# Altium PCB standos_RPi_view.PcbDoc (part 3 of 3)
Units mm, origin at the board's own origin, x right, y up, seen from the top; angles counter-clockwise.
Board outline 280 x 215 mm, 2 copper layers (Top Layer, Bottom Layer); 107 components, 136 nets, 738 pads, 582 vias.
Unrouted connection lines stored in the file: 90.
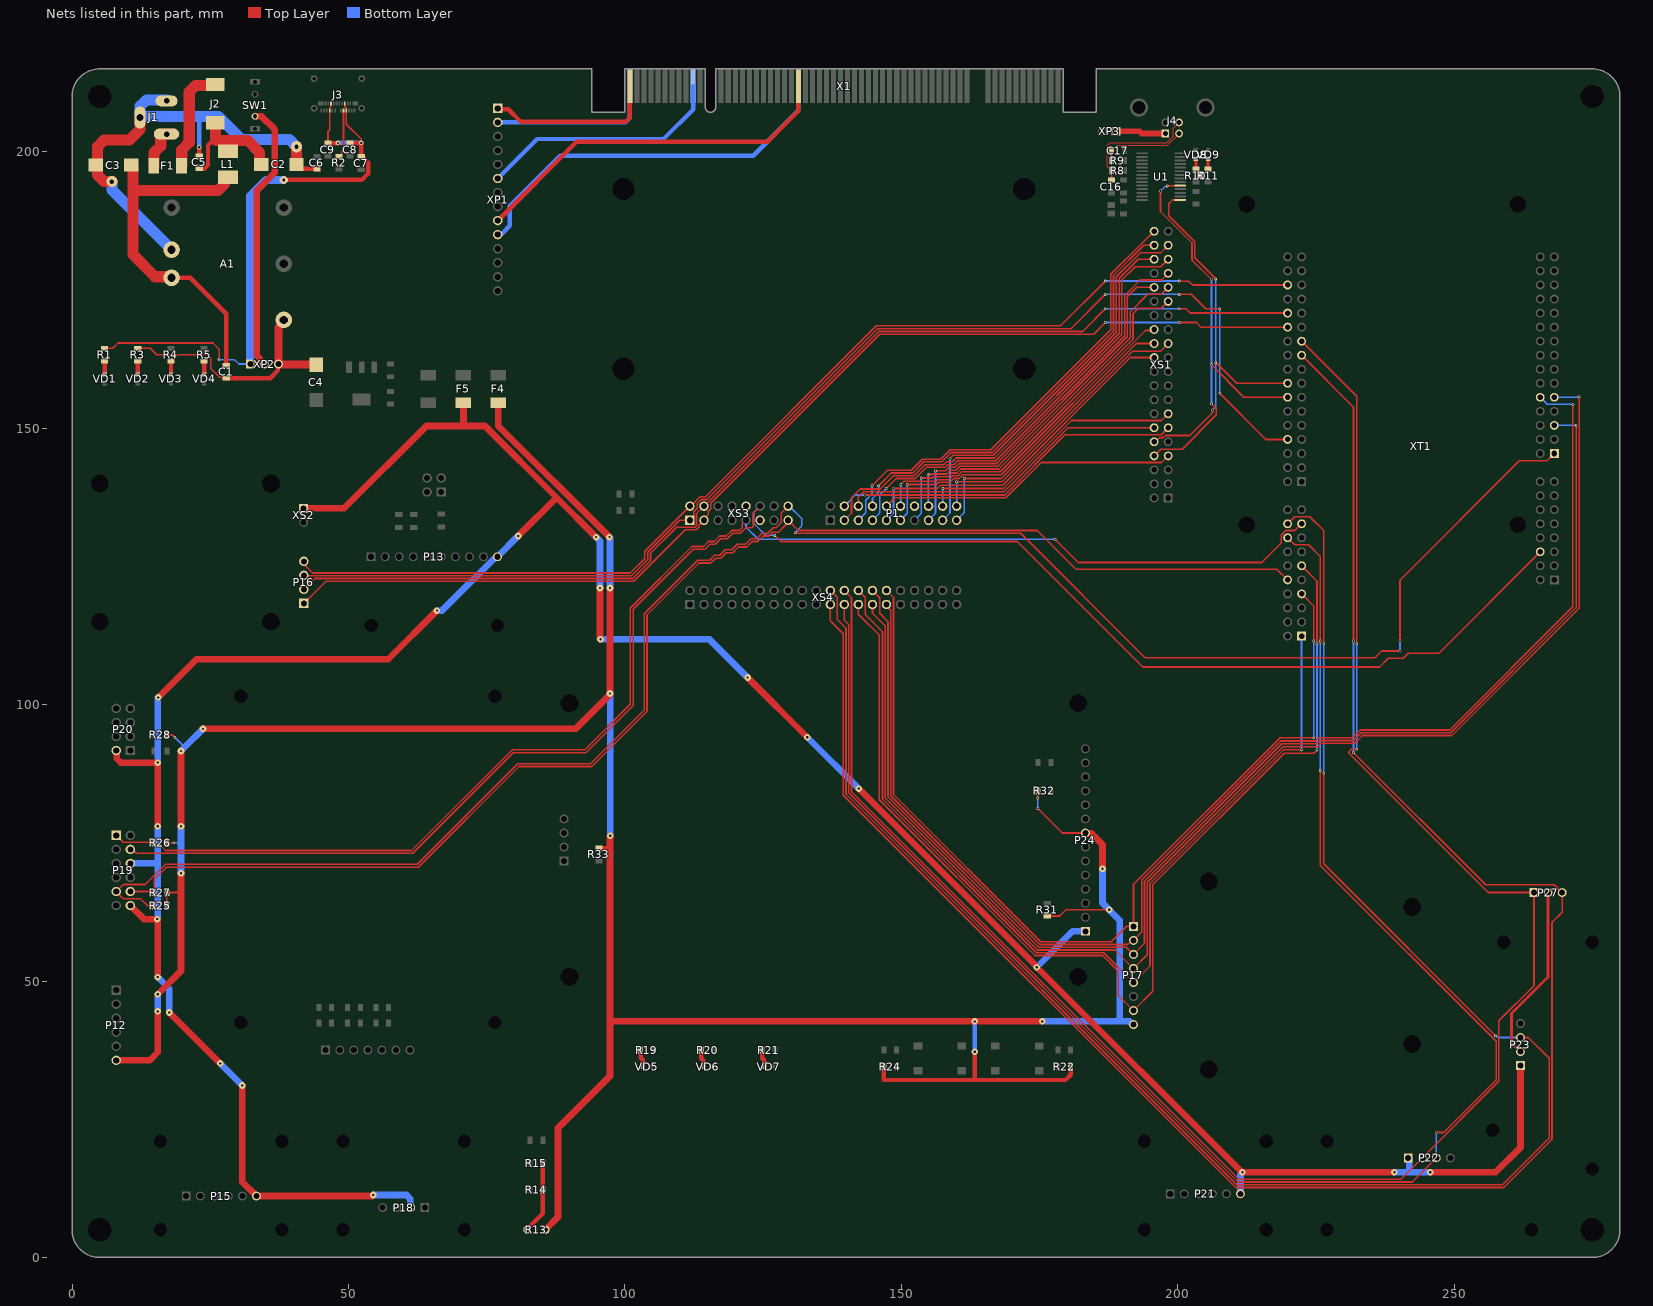
[diagram p3: the nets of this part, all layers, seen from the top]

## Via types
v1: diameter 0.5, hole 0.3, Top Layer to Bottom Layer, tented both sides, 530 vias
v2: diameter 1.2, hole 0.4, Top Layer to Bottom Layer, tented both sides, 42 vias
v3: diameter 0.8, hole 0.4, Top Layer to Bottom Layer, tented both sides, 4 vias
v4: diameter 2, hole 0.8, Top Layer to Bottom Layer, tented both sides, 3 vias
v5: diameter 1, hole 0.4, Top Layer to Bottom Layer, tented both sides, 2 vias
v6: diameter 1.5, hole 0.5, Top Layer to Bottom Layer, tented both sides, 1 vias

## Nets (pads, with @x,y where several pads share a name; then routed paths per layer and width w, separated by ;. In a path a pad name is that pad's centre, name@x,y a point inside that pad or via, vN(x,y) a via of type N, cw(c..) or ccw(c..) an arc to the next point about the centre after c; other vN are vias at no path point) (continued)
NAV.SPI_3CS.nCE0: P19.1 R26.1 XS3.10 XT1.CN7_17 | length 258.6
  Top Layer w0.3: P19.1@8,76.35 9.25,75.1 14.75,75.1 R26.1@14.85,75 14.85,74.8 15.15,74.5 16,74.5 16.9,73.6 61.407,73.6 79.607,91.8 92.751,91.8 101,100.049 101,117.443 112.157,128.6 114.214,128.6 115.111,129.496 116.125,129.496 117.118,130.489 118.296,130.489 119.306,131.5 120.693,131.5 121.22,132.027 121.22,132.65 121.92,133.35 ; v1(177.8,129.9) 182,125.7 215.2,125.7 218.72,129.22 218.72,130.656 219.564,131.5 221.19,131.5 XT1.CN7_17@222.41,132.72
  Bottom Layer w0.3: 121.92,133.35 121.92,132.08 124.1,129.9 v1(177.8,129.9)
NAV.SPI_3CS.nCE1: P19.9 R25.1 XS3.15 XT1.CN9_1 | length 345.4
  Top Layer w0.3: R25.1@14.85,63.6 13.7,63.6 12.4,64.9 9.29,64.9 P19.9@8,66.19 9.266,67.456 13.249,67.456 16.893,71.1 62.443,71.1 80.643,89.3 93.786,89.3 103.5,99.014 103.5,116.407 113.193,126.1 115.332,126.1 116.228,126.996 117.16,126.996 118.153,127.989 119.331,127.989 120.342,129 121.825,129 122.818,129.993 123.814,129.993 124.814,130.993 125.85,130.993 126.857,132 127.347,132 128.3,132.953 128.3,134.65 129.54,135.89 ; v1(130.8,131.1) 130.854,131.1 130.954,131 171.593,131 194.093,108.5 235.7,108.5 236.9,109.7 v1(240.2,109.7) ; v1(240.2,111.5) 240.2,122.493 261.807,144.1 266.81,144.1 XT1.CN9_1@268.13,145.42
  Bottom Layer w0.3: 129.54,135.89 129.759,135.89 132,133.649 132,132.3 v1(130.8,131.1) ; v1(240.2,109.7) v1(240.2,111.5)
NAV.SPI_3CS.nCE2: P19.10 R27.1 XS3.16 XT1.CN7_10 | length 253.6
  Top Layer w0.3: P19.10@10.54,66.19 14.66,66.19 R27.1@14.85,66 14.85,68.35 17.1,70.6 62.65,70.6 80.85,88.8 93.993,88.8 104,98.807 104,116.2 113.4,125.6 115.539,125.6 116.436,126.496 117.367,126.496 118.36,127.489 119.538,127.489 120.549,128.5 122.032,128.5 123.025,129.493 124.021,129.493 125.021,130.493 126.057,130.493 126.764,131.2 127.8,131.2 129.126,132.526 129.126,132.557 129.54,132.971 129.54,133.35 131.39,131.5 174.593,131.5 181.593,124.5 217.93,124.5 XT1.CN7_10@219.87,122.56
NAV.SPI_3CS.SCLK: P19.4 XS3.11 XT1.CN8_6 | length 317.1
  Top Layer w0.3: P19.4@10.54,73.81 10.919,73.81 11.629,73.1 61.614,73.1 79.814,91.3 92.958,91.3 101.5,99.842 101.5,117.236 112.364,128.1 114.504,128.1 115.4,128.996 116.332,128.996 117.325,129.989 118.503,129.989 119.513,131 120.9,131 121.9,132 122.993,132 123.26,132.267 123.26,134.69 124.46,135.89 ; v1(127.1,130.6) 128.2,129.5 170.972,129.5 193.672,106.8 236.507,106.8 238.107,108.4 240.8,108.4 241.7,109.3 247.25,109.3 XT1.CN8_6@265.59,127.64
  Bottom Layer w0.3: 124.46,135.89 123.26,134.69 123.26,132.84 125.5,130.6 v1(127.1,130.6)
NetA1_2: A1.2 C2.2 C3.2 C5.1 C6.2 J1.2 J1.3 | length 89.2
  Top Layer w0.8: C5.1@23,199.25 v3(23,200.8) ; C2.2@40.6,197.7 41.4,196.9 44.25,196.9 C6.2@44.3,196.85 C6.2@44.5,196.85
  Top Layer w2: C3.2@4.3,197.6 C3.2@4.4,197.6 ; v4(7.2,194.6) 5.772,194.6 4.6,195.772 4.6,197.4 C3.2@4.4,197.6 ; J1.3@12.3,206.4 12.3,205.4 12.3,204 10.4,202.1 5.8,202.1 4.6,200.9 4.6,197.8 C3.2@4.4,197.6 ; C2.2@40.6,197.7 v4(40.6,200.9)
  Bottom Layer w0.8: v3(23,200.8) 23,206.3 23.1,206.4
  Bottom Layer w2: v4(7.2,194.6) 7.2,193.08 A1.2@18,182.28 ; J1.2@17.3,209.4 16.3,209.4 13.472,209.4 12.3,208.228 12.3,207.4 12.3,206.4 23.1,206.4 26.497,206.4 30.697,202.2 39.3,202.2 v4(40.6,200.9)
NetA1_3: A1.3 C1.2 C3.1 L1.2 | length 65.8
  Top Layer w0.8: A1.3@18,177.2 21.4,177.2 27.9,170.7 C1.2@27.9,161.35
  Top Layer w2: C3.1@10.7,197.6 10.8,197.6 11,197.4 11,193 ; A1.3@18,177.2 17.809,177.391 15.009,177.391 11,181.4 11,193 ; L1.2@28.2,195.4 27.85,195.4 27.6,195.15 27.6,194.203 26.397,193 11,193
NetC2_1: C2.1 C5.2 J2.2 L1.1 | length 22.2
  Top Layer w0.8: C5.2@23,196.95 23.05,196.9 23.9,196.9 24.6,197.6 24.6,201.2 25.4,202 26.097,202
  Top Layer w2: J2.2@25.3,205.225 25.75,205.225 25.95,205.025 25.95,202.147 26.097,202 31.8,202 33.9,199.9 33.9,197.9 34.1,197.7 C2.1@34.2,197.7
NetF1_1: F1.1 J1.1 | length 8.3
  Top Layer w2: F1.1@14.8,197.5 14.845,197.545 14.845,199.845 16.05,201.05 J1.1@16.05,203.2 ; J1.1@16.2,203.2 17.3,203.2 J1.1@18.3,203.2
NetF1_2: F1.2 J2.1 | length 18.6
  Top Layer w2: F1.2@19.8,197.5 19.845,197.545 19.845,200.345 21.2,201.7 21.2,210.803 22.372,211.975 25.25,211.975 25.3,212.025 J2.1@25.3,212.175
NetJ3_A5: J3.A5 R2.1 | length 8.8
  Top Layer w0.3: R2.1@48.3,199.15 48.5,199.15 48.8,199.45 48.8,200.1 49.1,200.4 J3.A5@49.1,207.46
NetJ4_1: J4.1 XP3.1 | length 9
  Top Layer w1: XP3.1@188.87,203.7 193.1,203.7 193.5,203.3 J4.1@197.75,203.3
NetP23_2: P23.2 P27.2 | length 32.2
  Top Layer w0.5: P23.2@262,37.23 260.4,38.83 260.4,44.1 267,50.7 P27.2@267,66
NetR1_1: R1.1 VD1.+ | length 2.5
  Top Layer w0.8: VD1.+@5.9,159.675 R1.1@5.9,162.15
NetR3_1: R3.1 VD2.+ | length 2.5
  Top Layer w0.8: VD2.+@11.9,159.675 R3.1@11.9,162.15
NetR4_1: R4.1 VD3.+ | length 2.5
  Top Layer w0.8: VD3.+@17.9,159.675 R4.1@17.9,162.15
NetR5_1: R5.1 VD4.+ | length 2.5
  Top Layer w0.8: VD4.+@23.9,159.675 R5.1@23.9,162.15
NetR10_2: R10.2 VD8.+ | length 1.9
  Top Layer w0.5: R10.2@203.3,196.85 VD8.+@203.3,198.725
NetR11_2: R11.2 VD9.+ | length 1.9
  Top Layer w0.5: R11.2@205.5,196.85 VD9.+@205.5,198.725
NetR13_2: R13.2 R14.2 R15.2 | length 13.2
  Top Layer w0.8: R13.2@82.3,5 82.3,5.1 85.15,7.95 R14.2@85.15,12.2 R15.2@85.15,17
NetR19_1: R19.1 VD5.+ | length 3.2
  Top Layer w0.8: R19.1@102.85,37.5 102.9,37.45 102.9,36.1 103.225,35.775 VD5.+@103.225,34.5
NetR20_1: R20.1 VD6.+ | length 3.2
  Top Layer w0.8: R20.1@113.85,37.5 113.85,35.95 114.225,35.575 VD6.+@114.225,34.5
NetR21_1: R21.1 VD7.+ | length 3.2
  Top Layer w0.8: R21.1@124.85,37.5 124.85,36.05 125.225,35.675 VD7.+@125.225,34.5
NetSW1_1: SW1.1 XP2.2 | length 48.9
  Top Layer w1.2: SW1.1@33.1,206.4 34.3,206.4 36.7,204 36.7,196.3 33.4,193 33.4,163.191 33.86,162.731 33.86,162.54 XP2.2@34.8,161.6
P3V3: F4.2 P12.6 P17.8 P24.8 R13.1 R22.2 R24.2 R25.2 R26.2 R27.2 R28.2 R31.2 R32.2 R33.2 | length 528.2
  Top Layer w0.3: R25.2@17.15,63.6 R27.2@17.15,66 19.7,66 ; R26.2@17.15,75 v1(18.4,75) ; R28.2@17.15,94.5 18.2,94.5 v1(18.6,94.1) ; v1(174.7,81.2) 179.13,76.77 P24.8@183,76.77 ; v1(174.7,83.1) 174.7,84.374 R32.2@174.75,84.424 ; R31.2@176.9,61.75 178.65,61.75 179.8,62.9 v2(187.6,62.9)
  Top Layer w0.8: R33.2@95.3,74.05 97.21,74.05 97.3,73.96 ; R24.2@146.85,34.5 146.85,32.15 146.9,32.1 163.3,32.1 ; v2(163.3,37.2) 163.3,32.1 ; R22.2@180.65,34.5 180.65,33.05 179.7,32.1 163.3,32.1
  Top Layer w1.2: P12.6@8,35.65 14.05,35.65 15.5,37.1 v2(15.5,44.5) ; v2(15.5,47.6) 19.7,51.8 19.7,66 v2(19.7,69.5) ; v2(19.7,78) v2(19.7,91.6) ; v2(23.7,95.6) 91.1,95.6 97.3,101.8 v2(97.3,102) v2(97.3,121.1) ; F4.2@77.1,154.6 77.1,150.4 v2(97.2,130.3) ; R13.1@85.7,5 85.7,5.1 87.9,7.3 87.9,23.4 97.3,32.8 97.3,42.7 ; v2(97.348,76.269) 97.3,76.221 97.3,73.96 97.3,42.7 ; v2(175.5,42.7) v2(163.3,42.7) 97.3,42.7 ; P24.8@183.3,76.77 183.377,76.693 184.407,76.693 186.4,74.7 v2(186.4,70.3)
  Bottom Layer w0.3: v1(18.4,75) 19.7,75 ; v1(18.6,94.1) 20.4,92.3 ; v1(174.7,81.2) v1(174.7,83.1)
  Bottom Layer w0.8: v2(163.3,37.2) v2(163.3,42.7)
  Bottom Layer w1.2: v2(15.5,44.5) v2(15.5,47.6) ; v2(19.7,69.5) 19.7,75 v2(19.7,78) ; v2(19.7,91.6) 20.4,92.3 v2(23.7,95.6) ; v2(97.2,130.3) 97.3,130.2 v2(97.3,121.1) ; v2(97.3,102) 97.348,101.952 v2(97.348,76.269) ; v2(175.5,42.7) 189.5,42.7 ; v2(186.4,70.3) 186.4,64.1 189.5,61 189.5,42.7 ; P17.8@192,42.11 191.892,42.11 191.302,42.7 189.5,42.7
P5V: F5.2 P13.10 P15.6 P18.2 P19.6 P19.12 P20.2 P21.6 P22.1 P23.1 P24.1 XS2.1 | length 566.3
  Top Layer w1.2: P20.2@8,91.69 8.096,91.594 8.096,90.203 8.799,89.5 v2(15.5,89.5) v2(15.5,78) ; P19.12@10.54,63.65 12.99,61.2 v2(15.4,61.2) 15.5,61.1 v2(15.5,50.7) ; v2(15.6,101.3) 22.5,108.2 57.2,108.2 v2(66,117) ; v2(17.6,44.3) v2(26.8,35.1) ; v2(30.8,31.1) 30.8,13.65 P15.6@33.35,11.1 54.3,11.1 v2(54.5,11.3) ; XS2.1@41.9,135.5 49.2,135.5 64.1,150.4 70.8,150.4 ; F5.2@71.1,154.3 F5.2@70.8,154.6 70.8,150.4 ; v2(80.7,130.5) 87.5,137.3 87.5,137.6 ; v2(94.8,130.3) 87.5,137.6 ; v2(95.5,121.1) 95.5,111.9 v2(95.6,111.8) ; v2(122.2,104.9) v2(133,94.1) ; v2(142.3,84.8) 174.5,52.6 v2(174.5,52.5) 211.6,15.4 v2(211.7,15.4) v2(239.2,15.4) ; v2(245.7,15.4) 257.5,15.4 262,19.9 P23.1@262,34.69 ; 70.8,150.4 74.7,150.4 87.5,137.6
  Bottom Layer w1.2: P19.6@10.54,71.27 15.37,71.27 15.5,71.4 ; v2(15.4,61.2) 15.5,61.3 15.5,71.4 ; v2(15.5,50.7) 17.6,48.6 v2(17.6,44.3) ; v2(15.5,78) 15.5,71.4 ; v2(15.5,89.5) 15.5,101.2 v2(15.6,101.3) ; v2(26.8,35.1) v2(30.8,31.1) ; v2(54.5,11.3) 60.491,11.3 61.193,10.597 61.193,9.077 P18.2@61.27,9 ; v2(66,117) 66.939,117 76.485,126.546 76.654,126.546 76.854,126.746 P13.10@76.962,126.746 80.7,130.484 v2(80.7,130.5) ; v2(94.8,130.3) 95.5,129.6 v2(95.5,121.1) ; v2(95.6,111.8) 115.3,111.8 v2(122.2,104.9) ; v2(133,94.1) v2(142.3,84.8) ; v2(174.5,52.5) 180.99,58.99 P24.1@183.3,58.99 ; P21.6@211.35,11.5 211.35,15.05 v2(211.7,15.4) ; v2(239.2,15.4) v2(245.7,15.4) ; P22.1@241.69,18 241.89,17.8 241.89,16.01
PWR_5V: A1.4 C1.1 C4.1 R3.2 XP2.3 | length 46
  Top Layer w0.3: R3.2@11.9,164.45 14.15,164.45 15.3,163.3 24.5,163.3 25.1,162.7 25.1,160.8 26.7,159.2 27.75,159.2 C1.1@27.9,159.05
  Top Layer w0.8: C1.1@27.9,159.05 35.85,159.05 37.256,160.456 37.256,161.516 XP2.3@37.34,161.6
  Top Layer w1.5: A1.4@38.32,169.58 38.32,169.174 37.34,168.194 XP2.3@37.34,161.6 37.367,161.6 37.467,161.5 C4.1@44.2,161.5 C4.1@44.019,161.681
RC522_IRQ: P17.5 XS4.25 XT1.CN7_1 | length 175.9
  Top Layer w0.3: 142.24,120.65 143.5,119.39 143.5,116.3 146.6,113.2 146.6,82.907 174.407,55.1 186.63,55.1 P17.5@192,49.73 195,52.73 195,67.65 219.15,91.8 v1(222.4,91.8) ; XT1.CN7_1@222.4,112.39 XT1.CN7_1@222.41,112.4
  Bottom Layer w0.3: v1(222.4,91.8) 222.4,112.39 XT1.CN7_1@222.41,112.4
RC522_MISO: P17.4 XS4.28 XT1.CN9_9 | length 251.7
  Top Layer w0.3: 144.78,118.11 144.78,116.52 147.1,114.2 147.1,83.114 174.614,55.6 188.67,55.6 P17.4@192,52.27 194.5,54.77 194.5,67.857 219.043,92.4 225.314,92.4 225.914,93 232.014,93 233.414,94.4 249.6,94.4 272.662,117.462 272.662,155.497 272.638,155.52 272.638,155.662 v1(272.6,155.7)
  Bottom Layer w0.3: XT1.CN9_9@268.13,155.58 268.14,155.59 272.436,155.59 272.546,155.7 v1(272.6,155.7)
RC522_MOSI: P17.3 XS4.27 XT1.CN9_5 | length 244.2
  Top Layer w0.3: 144.78,120.65 146.1,119.33 146.1,116.5 147.6,115 147.6,83.321 174.821,56.1 190.71,56.1 P17.3@192,54.81 194,56.81 194,68.064 218.836,92.9 225.107,92.9 225.707,93.5 231.807,93.5 233.207,94.9 249.393,94.9 272.062,117.569 v1(272.062,150.5)
  Bottom Layer w0.3: XT1.CN9_5@268.13,150.5 v1(272.062,150.5)
RC522_RST: P17.7 XS4.26 XT1.CN7_11 | length 199.7
  Top Layer w0.3: 142.24,118.11 142.24,116.36 146,112.6 146,82.8 174.2,54.6 186.423,54.6 189.261,51.761 189.261,47.389 P17.7@192,44.65 195.5,48.15 195.5,67.443 219.257,91.2 224.6,91.2 v1(225.2,91.8) ; XT1.CN7_11@222.41,125.1 225.2,122.31 v1(225.2,111)
  Bottom Layer w0.3: v1(225.2,91.8) v1(225.2,111)
RC522_SCK: P17.2 XS4.30 XT1.CN9_10 | length 243.3
  Top Layer w0.3: 147.32,118.11 147.32,117.832 148.1,117.052 148.1,83.528 175.028,56.6 190.982,56.6 191.732,57.35 P17.2@192,57.35 193.5,58.85 193.5,68.272 218.628,93.4 224.9,93.4 225.5,94 231.6,94 233,95.4 249.186,95.4 271.462,117.676 271.462,154.262 v1(271.5,154.3)
  Bottom Layer w0.3: XT1.CN9_10@265.59,155.58 266.87,154.3 v1(271.5,154.3)
RC522_SS: P17.1 XS4.29 XT1.CN7_7 | length 171.1
  Top Layer w0.3: 147.32,120.65 148.6,119.37 148.6,83.736 175.236,57.1 188,57.1 190.79,59.89 P17.1@192,59.89 192,67.479 218.521,94 v1(224.6,94) ; XT1.CN7_7@222.41,120.02 224.6,117.83 v1(224.6,111.5)
  Bottom Layer w0.3: v1(224.6,94) v1(224.6,111.5)
RPi_GPIO04: P1.9 XS1.7 | length 54.7
  Top Layer w0.3: 147.32,135.89 148.83,137.4 168.9,137.4 175.3,143.8 197.08,143.8 XS1.7@198.27,144.99
RPi_GPIO05: P1.11 XS1.29 | length 68.7
  Top Layer w0.3: v1(149.9,139.8) 150.5,140.4 156.293,140.4 156.593,140.7 158.593,140.7 159.293,141.4 160.293,141.4 160.993,142.1 167.893,142.1 191.9,166.107 191.9,170.7 192.9,171.7 197.04,171.7 XS1.29@198.27,172.93
  Bottom Layer w0.3: 149.86,135.89 149.88,135.91 149.88,139.78 v1(149.9,139.8)
RPi_GPIO06: P1.14 XS1.31 | length 69.8
  Top Layer w0.3: v1(153.6,141) 155.7,141 155.9,141.2 158.386,141.2 159.086,141.9 160.086,141.9 160.786,142.6 167.686,142.6 191.4,166.314 191.4,171 194.6,174.2 197,174.2 XS1.31@198.27,175.47
  Bottom Layer w0.3: 152.4,133.35 153.6,134.55 v1(153.6,141)
RPi_GPIO07: P1.12 XS1.26 | length 63.2
  Top Layer w0.3: v1(151.1,139.8) 156.4,139.8 156.8,140.2 158.8,140.2 159.5,140.9 160.5,140.9 161.2,141.6 168.1,141.6 194.18,167.68 195.56,167.68 XS1.26@195.73,167.85
  Bottom Layer w0.3: 149.86,133.35 151.1,134.59 v1(151.1,139.8)
RPi_GPIO08: P1.20 XS1.24 | length 52.6
  Top Layer w0.3: v1(161.4,140.9) 168.107,140.9 192.517,165.31 XS1.24@195.73,165.31
  Bottom Layer w0.3: 160.02,133.35 161.4,134.73 v1(161.4,140.9)
RPi_GPIO11: P1.19 XS1.23 | length 53
  Top Layer w0.3: v1(160,140.3) 168.214,140.3 191.834,163.92 196.88,163.92 XS1.23@198.27,165.31
  Bottom Layer w0.3: v1(160,140.3) 160.01,140.29 160.01,135.9 160.02,135.89
RPi_GPIO12: P1.15 XS1.32 | length 64.8
  Top Layer w0.3: v1(154.9,141.6) 154.907,141.607 155.6,141.607 155.693,141.7 158.179,141.7 158.879,142.4 159.879,142.4 160.579,143.1 167.479,143.1 190.9,166.521 190.9,173.8 192.57,175.47 XS1.32@195.73,175.47
  Bottom Layer w0.3: v1(154.9,141.6) 154.9,135.93 154.94,135.89
RPi_GPIO13: P1.16 XS1.33 | length 70.6
  Top Layer w0.3: v1(156.2,142.3) 158,142.3 158.6,142.9 159.672,142.9 160.372,143.6 167.272,143.6 190.4,166.728 190.4,174.007 193.193,176.8 197.06,176.8 XS1.33@198.27,178.01
  Bottom Layer w0.3: 154.94,133.35 156.2,134.61 v1(156.2,142.3)
RPi_GPIO14: U1.5 XS1.8 XT1.CN10_14 | length 79.3
  Top Layer w0.3: XS1.8@195.73,144.99 196.94,146.2 200.8,146.2 207,152.4 207,153.5 v1(206.1,154.4) ; v1(196.9,192.9) 196.9,189.193 202.6,183.493 202.6,180.4 v1(206.1,176.9) ; v1(198.1,193.825) 198.154,193.825 198.204,193.875 U1.5@200.45,193.875 ; v1(206.1,161.5) 209.029,158.571 209.029,158.471 211.92,155.58 XT1.CN10_14@219.87,155.58
  Bottom Layer w0.3: v1(196.9,192.9) 197.787,193.787 198.062,193.787 v1(198.1,193.825) ; v1(206.1,154.4) v1(206.1,176.9)
RPi_GPIO15: U1.1 XS1.10 XT1.CN10_16 | length 71.2
  Top Layer w0.3: XS1.10@195.73,147.53 195.958,147.53 196.728,148.3 197.414,148.3 197.794,148.68 202.18,148.68 206.3,152.8 v1(206.3,153.3) ; U1.1@200.45,191.275 200.46,191.265 199.065,191.265 198.4,190.6 198.4,188.4 203.1,183.7 203.1,180.8 v1(206.9,177) ; v1(206.9,161.9) 210.68,158.12 XT1.CN10_16@219.87,158.12
  Bottom Layer w0.3: v1(206.3,153.3) 206.9,153.9 v1(206.9,177)
RPi_GPIO16: P1.4 XS1.36 | length 83
  Top Layer w0.3: 139.7,133.35 141,134.65 141,137.4 142.6,139 146.2,139 148.6,141.4 152.289,141.4 154.289,143.4 157.686,143.4 158.186,143.9 159.243,143.9 159.943,144.6 166.857,144.6 189.4,167.143 189.4,177.1 192.85,180.55 XS1.36@195.73,180.55
RPi_GPIO17: P1.3 XS1.11 | length 64.6
  Top Layer w0.3: v1(143.449,137.9) 168.693,137.9 179.593,148.8 197,148.8 XS1.11@198.27,150.07
  Bottom Layer w0.3: 139.7,136.066 139.7,135.89 141.71,137.9 v1(143.449,137.9)
RPi_GPIO18: P1.5 XS1.12 | length 60.3
  Top Layer w0.3: 142.24,135.89 142.24,137.54 143.2,138.5 168.586,138.5 180.156,150.07 XS1.12@195.73,150.07
RPi_GPIO19: P1.8 XS1.35 | length 80.7
  Top Layer w0.3: v1(147.3,139.1) 149.1,140.9 152.5,140.9 154.5,142.9 157.893,142.9 158.393,143.4 159.464,143.4 160.164,144.1 167.064,144.1 189.9,166.936 189.9,176.8 192.3,179.2 196.92,179.2 XS1.35@198.27,180.55
  Bottom Layer w0.3: 144.78,133.35 146.1,134.67 146.1,137.9 v1(147.3,139.1)
RPi_GPIO20: P1.7 XS1.38 | length 77.9
  Top Layer w0.3: 144.78,135.89 144.79,135.9 ; v1(145.9,139.6) 148.2,141.9 152.082,141.9 154.082,143.9 157.351,143.9 159.051,145.6 166.443,145.6 188.4,167.557 188.4,177.607 193.883,183.09 XS1.38@195.73,183.09
  Bottom Layer w0.3: 144.78,135.89 144.78,137.287 145.9,138.407 v1(145.9,139.6)
RPi_GPIO21: P1.6 XS1.40 | length 83.2
  Top Layer w0.3: v1(144.7,139.6) 147.512,142.412 151.812,142.412 153.8,144.4 157.144,144.4 158.844,146.1 166.2,146.1 187.9,167.8 187.9,177.814 193.676,183.59 193.69,183.59 XS1.40@195.73,185.63
  Bottom Layer w0.3: 142.24,133.35 143.58,134.69 143.58,136.98 144.7,138.1 v1(144.7,139.6)
RPi_GPIO25: P1.10 XS1.22 | length 63.2
  Top Layer w0.3: v1(148.6,139.1) 156.5,139.1 157.1,139.7 168.372,139.7 191.442,162.77 XS1.22@195.73,162.77
  Bottom Layer w0.3: 147.32,133.35 148.6,134.63 v1(148.6,139.1)
RPi_GPIO26: P1.18 XS1.37 | length 73
  Top Layer w0.3: v1(158.8,144.5) 159.4,145.1 166.65,145.1 188.9,167.35 188.9,177.4 193.2,181.7 196.88,181.7 XS1.37@198.27,183.09
  Bottom Layer w0.3: 157.48,133.35 158.8,134.67 v1(158.8,144.5)
RPi_GPIO27: P1.17 XS1.13 | length 49.6
  Top Layer w0.3: v1(157.5,139.1) 168.479,139.1 180.779,151.4 197.06,151.4 XS1.13@198.27,152.61
  Bottom Layer w0.3: 157.48,135.89 157.49,135.9 157.49,139.09 v1(157.5,139.1)
STEPMOTOR.IN1: P16.1 XS3.4 XT1.CN10_24 | length 201.1
  Top Layer w0.3: P16.1@41.925,117.8 P16.1@41.925,118.3 45.925,122.3 101.615,122.3 110.915,131.6 112.912,131.6 113.46,132.148 113.46,132.51 114.3,133.35 114.3,133.588 115.1,134.388 115.1,134.993 115.513,135.406 115.513,136.392 146.121,167 184.8,167 v1(186.9,169.1) ; v1(200.3,169.1) 203.4,169.1 204.22,168.28 XT1.CN10_24@219.87,168.28
  Bottom Layer w0.3: v1(186.9,169.1) v1(200.3,169.1)
STEPMOTOR.IN2: P16.2 XS3.3 XT1.CN10_26 | length 201.9
  Top Layer w0.3: P16.2@41.925,120.34 P16.2@41.925,120.84 43.885,122.8 101.408,122.8 104.646,126.039 104.646,127.362 109.384,132.1 112.705,132.1 112.96,132.355 112.96,134.55 114.3,135.89 114.304,135.89 145.914,167.5 182.8,167.5 v1(186.9,171.6) ; v1(200.3,171.6) 201.5,171.6 202.28,170.82 XT1.CN10_26@219.87,170.82
  Bottom Layer w0.3: v1(186.9,171.6) v1(200.3,171.6)
STEPMOTOR.IN3: P16.3 XS3.2 XT1.CN10_8 | length 220.8
  Top Layer w0.3: P16.3@41.925,122.88 42.345,123.3 101.201,123.3 104.143,126.242 104.143,127.566 109.927,133.35 111.76,133.35 112.46,134.05 112.46,134.893 113.1,135.533 113.1,136.387 113.803,137.09 114.797,137.09 145.707,168 180.7,168 v1(186.9,174.2) ; v1(200.3,174.2) 202.451,174.2 205.051,171.6 v1(207.6,171.6) ; v1(207.6,156.3) 215.94,147.96 XT1.CN10_8@219.87,147.96
  Bottom Layer w0.3: v1(186.9,174.2) v1(200.3,174.2) ; v1(207.6,156.3) v1(207.6,171.6)
STEPMOTOR.IN4: P16.4 XS3.1 XT1.CN10_30 | length 201.6
  Top Layer w0.3: P16.4@41.925,125.42 43.545,123.8 100.993,123.8 103.6,126.407 103.6,127.73 111.76,135.89 111.896,135.89 113.596,137.59 114.59,137.59 145.5,168.5 178.8,168.5 v1(186.9,176.6) ; v1(200.3,176.6) 202,176.6 202.7,175.9 XT1.CN10_30@219.87,175.9
  Bottom Layer w0.3: v1(186.9,176.6) 186.92,176.62 200.28,176.62 v1(200.3,176.6)
STM_PD12: P22.2 P27.1 XS4.23 XT1.CN10_21 | length 350.9
  Top Layer w0.3: 139.7,120.65 141,119.35 141,84.25 211.1,14.15 240.38,14.15 P22.2@244.23,18 258.1,31.87 258.1,42.8 264.46,49.16 P27.1@264.46,66 256.2,66 230.974,91.226 230.974,91.474 231.4,91.9 v1(232.4,91.9) ; XT1.CN10_21@222.41,165.74 232.4,155.75 v1(232.4,111)
  Bottom Layer w0.3: v1(232.4,91.9) v1(232.4,111)
STM_PD13: P27.3 XS4.22 XT1.CN10_19 | length 366
  Top Layer w0.3: 137.16,118.11 137.16,115.14 139.5,112.8 139.5,83.628 210.478,12.65 258.95,12.65 267.7,21.4 267.7,60.6 269.54,62.44 P27.3@269.54,66 268.14,67.4 255.7,67.4 v1(231.8,91.3) ; XT1.CN10_19@222.41,163.2 231.8,153.81 v1(231.8,111.5)
  Bottom Layer w0.3: v1(231.8,91.3) v1(231.8,111.5)
STM_PD14: P22.3 XS4.24 XT1.CN7_16 | length 306.2
  Top Layer w0.3: 139.7,118.11 139.7,115.3 140.5,114.5 140.5,84.043 210.893,13.65 242.42,13.65 P22.3@246.77,18 ; XT1.CN7_16@219.87,130.18 221.15,128.9 223.7,128.9 225.8,126.8 v1(225.8,111.5) ; v1(225.8,88.1) 225.8,70.9 257.6,39.1 257.6,32.077 248.123,22.6 v1(246.8,22.6)
  Bottom Layer w0.3: v1(225.8,88.1) v1(225.8,111.5) ; P22.3@246.77,18 246.77,22.57 v1(246.8,22.6)
STM_PD15: P23.3 XS4.21 XT1.CN7_18 | length 336.1
  Top Layer w0.3: 137.16,120.65 138.4,119.41 138.4,115.4 140,113.8 140,83.836 210.686,13.15 258.743,13.15 267.2,21.607 267.2,36 263.43,39.77 P23.3@262,39.77 ; XT1.CN7_18@219.87,132.72 221.15,134 223.9,134 226.4,131.5 v1(226.4,111) ; v1(226.4,87.6) 226.4,71.2 v1(257.5,40.1)
  Bottom Layer w0.3: v1(226.4,87.6) v1(226.4,111) ; v1(257.5,40.1) 257.554,40.1 257.884,39.77 P23.3@262,39.77
Supply+: X1.B62 XP1.1 | length 30.9
  Top Layer w0.8: XP1.1@77,207.86 77.16,207.7 78.9,207.7 81.2,205.4 100.1,205.4 100.92,206.22 X1.B62@100.92,211.89
Supply-: X1.A62 XP1.2 | length 30.1
  Top Layer w0.8: XP1.2@77,205.32 XP1.2@77.04,205.36
  Bottom Layer w0.8: XP1.2@77,205.32 100.12,205.32 100.92,206.12 X1.A62@100.92,211.89
SYNC_OUT: X1.A53 XP1.6 | length 44.8
  Bottom Layer w0.8: XP1.6@77,195.16 84.14,202.3 107,202.3 112.35,207.65 X1.A53@112.35,211.89
USB_5V: C7.1 C8.2 C9.2 J3.A4 J3.A9 J3.B4 J3.B9 R1.2 XP2.1 | length 112.9
  Top Layer w0.3: R1.2@5.9,164.45 7.349,164.45 8.299,165.4 25.5,165.4 26.6,164.3 v1(26.6,162.4) ; C9.2@46.3,201.55 46.3,203.7 46.6,204 J3.A9@46.6,207.46 46.6,208.015 46.85,208.265 J3.B4@46.85,208.76 ; J3.B9@49.35,208.76 49.35,208.205 49.6,207.955 J3.A4@49.6,207.46 49.6,205 52.3,202.3 v3(52.3,201.6)
  Top Layer w0.8: v6(38.3,194.9) 52.4,194.9 53.55,196.05 53.55,198.05 52.5,199.1 C7.1@52.3,199.1 v3(52.3,201.6) 52.25,201.55 C8.2@50.3,201.55 ; C9.2@46.3,201.55 48.05,201.55 v3(48.1,201.6)
  Bottom Layer w0.3: v1(26.6,162.4) 29.4,162.4 30.2,161.6 XP2.1@32.26,161.6
  Bottom Layer w0.8: v3(48.1,201.6) v3(52.3,201.6)
  Bottom Layer w1.5: XP2.1@32.26,161.6 32.26,192.06 35.1,194.9 v6(38.3,194.9)
USB_D_N: C16.2 J4.3 R8.2 | length 22.2
  Top Layer w0.2: R8.2@188.05,196.6 188.05,196.8 187.7,197.15 187.55,197.15 187.3,197.4 187.3,201.1 187.8,201.6 197.984,201.6 199.192,202.808 199.192,204.242 J4.3@200.25,205.3
  Top Layer w0.4: C16.2@188.05,194.8 R8.2@188.05,196.6
USB_D_P: C17.2 J4.2 R9.2 | length 15.4
  Top Layer w0.2: C17.2@188.05,200.2 188.05,200.4 188.4,200.75 188.75,200.75 189.2,201.2 198.15,201.2 J4.2@200.25,203.3
  Top Layer w0.4: R9.2@188.05,198.4 C17.2@188.05,200.2
Voltage_Hi: X1.A38 XP1.10 | length 70.2
  Bottom Layer w0.8: XP1.10@77,185 77.172,185.172 77.772,185.172 79.2,186.6 79.2,190.2 88.3,199.3 108.114,199.3 123.2,199.3 131.345,207.445 131.345,211.835 X1.A38@131.4,211.89
Voltage_Low: X1.B38 XP1.9 | length 67.1
  Top Layer w0.8: XP1.9@77,187.54 91.26,201.8 125.8,201.8 131.4,207.4 X1.B38@131.4,211.89
pads on no net: A1.1 A1.5 D1.4 J3.A2 J3.A3 J3.A6 J3.A7 J3.A8 J3.A10 J3.A11 J3.B2 J3.B3 J3.B5 J3.B6 J3.B7 J3.B8 J3.B10 J3.B11 SW1.0 SW1.3 U1.2 U1.3 U1.6 U1.8 U1.9 U1.10 U1.11 U1.12 U1.13 U1.14 U1.19 U1.24 U1.27 U1.28 X1.A7 X1.A8 X1.A9 X1.A10 X1.A14 X1.A15 X1.A16 X1.A17 X1.A22 X1.A24 X1.A25 X1.A26 X1.A27 X1.A28 X1.A29 X1.A30 X1.A31 X1.A32 X1.A33 X1.A34 X1.A35 X1.A36 X1.A37 X1.A39 X1.A40 X1.A41 X1.A42 X1.A43 X1.A44 X1.A45 X1.A46 X1.A49 X1.A52 X1.A55 X1.A56 X1.A58 X1.A59 X1.A60 X1.A61 X1.B7 X1.B8 X1.B9 X1.B10 X1.B14 X1.B15 X1.B16 X1.B17 X1.B24 X1.B25 X1.B26 X1.B27 X1.B28 X1.B29 X1.B30 X1.B31 X1.B32 X1.B33 X1.B34 X1.B35 X1.B36 X1.B39 X1.B40 X1.B41 X1.B42 X1.B43 X1.B44 X1.B45 X1.B46 X1.B47 X1.B48 X1.B49 X1.B52 X1.B53 X1.B54 X1.B55 X1.B57 X1.B59 X1.B60 XS1.1 XS1.17 XS1.27 XS1.28 XT1.CN7_5 XT1.CN7_6 XT1.CN7_9 XT1.CN7_13 XT1.CN7_14 XT1.CN7_15 XT1.CN7_19 XT1.CN8_1 XT1.CN8_3 XT1.CN8_5 XT1.CN8_7 XT1.CN8_15 XT1.CN9_11 XT1.CN9_13 XT1.CN9_14 XT1.CN9_15 XT1.CN9_20 XT1.CN10_1 XT1.CN10_13 XT1.CN10_15 XT1.CN10_25 XT1.CN10_28 XT1.CN10_29 XT1.CN10_31 XT1.CN10_32 XT1.CN10_34

## Polygon pours and split planes (outlines as drawn)
GND on Top Layer "Top Layer-GND" (solid, pour order 0): 5,0 cw(c5,5) 0,5 0,210 cw(c5,210) 5,215 94.003,215 94.003,207.13 100.003,207.13 100.003,215 114.537,215 114.537,208.095 ccw(c115.492,208.095) 116.447,208.095 116.447,208.085 116.447,215 179.307,215 179.307,207.13 185.308,207.13 185.308,215 275,215 cw(c275,210) 280,210 280,5 cw(c275,5) 275,0
GND on Bottom Layer "Bottom Layer-GND" (solid, pour order 1): 5,0 cw(c5,5) 0,5 0,210 cw(c5,210) 5,215 94.003,215 94.003,207.13 100.003,207.13 100.003,215 114.537,215 114.537,208.095 ccw(c115.492,208.095) 116.447,208.095 116.447,208.085 116.447,215 179.307,215 179.307,207.13 185.308,207.13 185.308,215 275,215 cw(c275,210) 280,210 280,5 cw(c275,5) 275,0

## Silkscreen, mask and mechanical layers (free items; w line width, h text height)
Top Overlay:
  drawing of 426 lines, arcs and shapes, not listed
  text "OFF" at 38.3,209.7 h1 r90
  text "Supply+" at 68.282,207.493 h1
  text "Supply-" at 68.282,204.953 h1
  text "ON" at 38.3,204.7 h1 r90
  text "BREADBOARD SYB-46" at 92,203.5 h1.5
  text "Current Hi" at 65.616,202.08 h1
  text "POWER" at 2,201.5 h1.5
  text "Current Low" at 64.283,199.54 h1
  text "Func OUT" at 67.116,197 h1
  text "Sync OUT" at 67.116,194.793 h1
  text "ACH0+" at 70.115,191.92 h1
  text "ACH1+" at 70.281,189.38 h1
  text "Voltage Low" at 64.45,187.173 h1
  text "Voltage Hi" at 65.783,184.633 h1
  text "GND" at 72.114,181.76 h1
  text "+5V" at 72.114,179.22 h1
  text "+15V" at 71.281,176.68 h1
  text "-15V" at 71.281,174.14 h1
  text "NI ELVIS PCI" at 62.5,173 h1.5 r90
  text "FROM  / USB-C" at 27.535,154.9 h1
  text "FROM / JACK" at 36.1,154.9 h1
  text "USB-C / OK" at 2.768,153.1 h1
  text "JACK / OK" at 8.768,153.1 h1
  text "5V / OK" at 14.768,153.1 h1
  text "3.3V / OK" at 20.768,153.1 h1
  text "STEP MOTOR" at 5,145.5 h1.5
  text "ADS1115" at 54,145.5 h1.5
  text "COMMUTATION" at 91.25,145.5 h1.5
  text "STEPMTR" at 110.914,143.383 h0.64
  text "GYRO" at 116.946,143.383 h0.64
  text "NAV" at 122.344,143.383 h0.64
  text "PWR" at 136.314,143.383 h0.64
  text "SPI1" at 141.235,143.383 h0.64
  text "SPI4" at 147.479,143.383 h0.64
  text "UART5" at 153.459,143.383 h0.64
  text "GPIO" at 157.639,143.383 h0.64
  text "MOSI" at 121.074,141.605 h0.51
  text "MISO" at 148.971,141.605 h0.51
  text "MOSI" at 143.849,141.554 h0.56
  text "SCLK" at 123.389,141.529 h0.58
  text "IN4" at 110.967,141.478 h0.64
  text "IN2" at 113.507,141.478 h0.64
  text "INT" at 116.047,141.478 h0.64
  text "CS" at 118.851,141.478 h0.64
  text "INT" at 126.207,141.478 h0.64
  text "5V" at 136.631,141.478 h0.64
  text "GND" at 151.554,141.478 h0.64
  text "TX" at 154.411,141.478 h0.64
  text "CH3" at 58.95,140.7 h1
  text "GND" at 69.2,140.7 h1
  text "nCE / 1" at 138.727,140.285 h0.64
  text "nCE / 0" at 141.267,140.285 h0.64
  text "nCE / 0" at 146.347,140.285 h0.64
  text "27" at 156.242,140.285 h0.58
  text "11" at 158.782,140.285 h0.51
  text "CS / M" at 128.62,140.168 h0.64
  text "I2C / pull-up" at 97.757,139.812 h0.64
  text "MISO" at 143.891,139.065 h0.51
  text "MOSI" at 151.554,139.065 h0.51
  text "MISO" at 123.438,138.989 h0.58
  text "IN3" at 110.967,138.938 h0.64
  text "IN1" at 113.612,138.938 h0.64
  text "DR" at 116.311,138.938 h0.64
  text "SDO" at 118.534,138.938 h0.64
  text "3V3" at 136.314,138.938 h0.64
  text "SCK" at 141.394,138.938 h0.64
  text "SCK" at 149.014,138.938 h0.64
  text "RX" at 154.411,138.938 h0.64
  text "CH2" at 58.95,138.2 h1
  text "GND" at 69.2,137.95 h1
  text "CS / A/G" at 120.64,137.745 h0.58
  text "nCE / 2" at 138.727,137.745 h0.64
  text "nCE / 1" at 146.347,137.745 h0.64
  text "26" at 156.242,137.745 h0.58
  text "8" at 158.782,137.745 h0.58
  text "DRDY / M" at 125.392,137.628 h0.58
  text "CS / ALT" at 128.567,137.628 h0.64
  text "5V" at 41,137.5 h1
  text "ULN2003" at 19.435,133.5 h1
  text "GND" at 40.5,129.9 h1
  text "IN4" at 34.85,125.8 h1 r180
  text "IN3" at 34.85,123.3 h1 r180
  text "IN2" at 34.85,120.8 h1 r180
  text "IN1" at 34.85,118.3 h1 r180
  text "ALRT" at 110.829,115.57 h0.51
  text "MDS" at 113.454,115.443 h0.64
  text "B" at 116.628,115.443 h0.64
  text "SWT" at 118.534,115.443 h0.64
  text "C1" at 121.497,115.443 h0.64
  text "C0" at 123.931,115.443 h0.64
  text "C2" at 126.471,115.443 h0.64
  text "R1" at 129.117,115.443 h0.64
  text "RX" at 131.551,115.443 h0.64
  text "PWM" at 133.774,115.443 h0.64
  text "H1E" at 136.367,115.443 h0.64
  text "H0T" at 138.854,115.443 h0.64
  text "IRQ" at 141.447,115.443 h0.64
  text "MOSI" at 143.722,115.443 h0.64
  text "SS" at 146.791,115.443 h0.64
  text "GND" at 159.174,115.443 h0.64
  text "LCD / nCE" at 148.569,114.25 h0.51
  text "LCD / DC/RS" at 150.792,114.25 h0.51
  text "TCH / nCE" at 153.967,114.25 h0.51
  text "MISO" at 156.242,114.25 h0.64
  text "MOSI" at 156.634,113.03 h0.51
  text "INT" at 110.967,112.903 h0.64
  text "RST" at 113.454,112.903 h0.64
  text "A" at 116.628,112.903 h0.64
  text "BTN" at 118.534,112.903 h0.64
  text "GND" at 121.074,112.903 h0.64
  text "R0" at 123.931,112.903 h0.64
  text "R3" at 126.471,112.903 h0.64
  text "R2" at 129.011,112.903 h0.64
  text "AN" at 131.551,112.903 h0.64
  text "TX" at 134.091,112.903 h0.64
  text "H1T" at 136.367,112.903 h0.64
  text "H0E" at 138.854,112.903 h0.64
  text "RST" at 141.394,112.903 h0.64
  text "MISO" at 143.669,112.903 h0.64
  text "SCK" at 146.474,112.903 h0.64
  text "CRD / nCE" at 148.569,111.71 h0.51
  text "LCD / RST" at 151.427,111.71 h0.51
  text "SCK" at 153.967,111.71 h0.51
  text "TCH / IRQ" at 159.047,111.71 h0.51
  text "ADC" at 110.787,110.617 h0.64
  text "ENCODER" at 115.867,110.617 h0.64
  text "KEYPAD" at 123.487,110.617 h0.64
  text "SONAR" at 131.107,110.617 h0.64
  text "SONIC" at 136.187,110.617 h0.64
  text "RFID" at 142.537,110.617 h0.64
  text "DISPLAY" at 152.697,110.617 h0.64
  text "GYRO GY-50" at 4,104.5 h1.5
  text "KEYBOARD COM-08653" at 31,104.5 h1.5
  text "DISPLAY MSP3520" at 90.25,104.5 h1.5
  text "StandOS v1 2022" at 196,83.5 h2 r90
  text "github.com/MPSU/OS-info" at 200.034,83.3 h2 r90
  text "PMOD NAV" at 5.3,81.8 h1.5
  text "RFID RC522" at 193.3,71.8 h1.5
  text "IND TRIGS" at 256.75,69.1 h0.9
  text "SYNC TRIGS" at 267.75,69.1 h0.9
  text "(H0 MAIN)" at 269.7,67.9 h0.7
  text "PMOD COLOR" at 3.3,53.8 h1.5
  text "LEDS" at 98.3,41.8 h1.5
  text "BUTTONS" at 146.3,41.8 h1.5
  text "ULTRASONIC HC-SR04" at 254.2,40.3 h1.5 r90
  text "H1" at 254.2,33.55 h1.5 r90
  text "LED0" at 102.167,31.95 h1
  text "LED1" at 113.367,31.95 h1
  text "LED2" at 124.2,31.95 h1
  text "BUTTON1" at 153.867,31.45 h1
  text "BUTTON0" at 167.668,31.45 h1
  text "ENCODER PMODENC" at 16.3,25.8 h1.5
  text "MICROPHONE KY-038" at 47.3,25.8 h1.5
  text "GL5516" at 79.876,25.8 h1.5
  text "PMOD MAXSONAR" at 193.3,25.8 h1.5
  text "H0" at 244.05,25.8 h1.5
Bottom Overlay:
  circle w0.15: c90,100.25 r5
  circle w0.15: c275,5 r5
  circle w0.15: c275,210 r5
  circle w0.15: c5,210 r5
  circle w0.15: c5,5 r5
  circle w0.15: c205.6,34 r4
  circle w0.15: c205.6,68 r4
  circle w0.15: c242.4,63.4 r4
  circle w0.15: c242.4,38.6 r4
  circle w0.15: c172.25,193.25 r5
  circle w0.15: c172.25,160.75 r5
  circle w0.15: c99.75,193.25 r5
  circle w0.15: c99.75,160.75 r5
  circle w0.15: c54.102,114.3 r4
  circle w0.15: c76.962,114.3 r4
  circle w0.15: c36,115 r4
  circle w0.15: c5,115 r4
  circle w0.15: c5,140 r4
  circle w0.15: c36,140 r4
  circle w0.15: c182,50.75 r5
  circle w0.15: c90,50.75 r5
  circle w0.15: c182,100.25 r5
  circle w0.15: c76.5,101.5 r4
  circle w0.15: c30.5,42.5 r4
  circle w0.15: c30.5,101.5 r4
  circle w0.15: c76.5,42.5 r4
  circle w0.15: c71,5 r4
  circle w0.15: c71,21 r4
  circle w0.15: c49,21 r4
  circle w0.15: c49,5 r4
  circle w0.15: c16,21 r4
  circle w0.15: c16,5 r4
  circle w0.15: c38,5 r4
  circle w0.15: c38,21 r4
  circle w0.15: c275,16 r4
  circle w0.15: c257,23 r4
  circle w0.15: c275,57 r4
  circle w0.15: c259,57 r4
  circle w0.15: c216,5 r4
  circle w0.15: c194,5 r4
  circle w0.15: c264,5 r4
  circle w0.15: c227,21 r4
  circle w0.15: c227,5 r4
  circle w0.15: c216,21 r4
  circle w0.15: c194,21 r4
  circle w0.15: c212.5,190.5 r6
  circle w0.15: c261.5,190.5 r6
  circle w0.15: c261.5,132.5 r6
  circle w0.15: c212.5,132.5 r6
Mechanical 1:
  lines w0.254: 114.537,208.095 114.537,208.095 ; 114.537,215 114.537,215 ; 116.447,215 116.447,215
Board:
  circle w0.1: c205.6,34 r1.6
  circle w0.1: c205.6,68 r1.6
  circle w0.1: c242.4,63.4 r1.6
  circle w0.1: c242.4,38.6 r1.6
  circle w0.1: c172.25,193.25 r2
  circle w0.1: c172.25,160.75 r2
  circle w0.1: c99.75,193.25 r2
  circle w0.1: c99.75,160.75 r2
  circle w0.1: c54.102,114.3 r1.2
  circle w0.1: c76.962,114.3 r1.2
  circle w0.1: c36,115 r1.6
  circle w0.1: c5,115 r1.6
  circle w0.1: c5,140 r1.6
  circle w0.1: c36,140 r1.6
  circle w0.1: c76.5,101.5 r1.2
  circle w0.1: c182,50.75 r1.6
  circle w0.1: c90,50.75 r1.6
  circle w0.1: c182,100.25 r1.6
  circle w0.1: c90,100.25 r1.6
  circle w0.1: c30.5,42.5 r1.2
  circle w0.1: c76.5,42.5 r1.2
  circle w0.1: c30.5,101.5 r1.2
  circle w0.1: c49,21 r1.2
  circle w0.1: c38,21 r1.2
  circle w0.1: c71,21 r1.2
  circle w0.1: c16,21 r1.2
  circle w0.1: c49,5 r1.2
  circle w0.1: c71,5 r1.2
  circle w0.1: c16,5 r1.2
  circle w0.1: c38,5 r1.2
  circle w0.1: c257,23 r1.2
  circle w0.1: c259,57 r1.2
  circle w0.1: c275,57 r1.2
  circle w0.1: c275,16 r1.2
  circle w0.1: c216,5 r1.2
  circle w0.1: c194,5 r1.2
  circle w0.1: c227,5 r1.2
  circle w0.1: c264,5 r1.2
  circle w0.1: c227,21 r1.2
  circle w0.1: c216,21 r1.2
  circle w0.1: c194,21 r1.2
  circle w0.1: c212.5,190.5 r1.5
  circle w0.1: c261.5,190.5 r1.5
  circle w0.1: c261.5,132.5 r1.5
  circle w0.1: c212.5,132.5 r1.5
  circle w0.1: c275,5 r2.1
  circle w0.1: c275,210 r2.1
  circle w0.1: c5,210 r2.1
  circle w0.1: c5,5 r2.1
  lines w0.1: 116.447,208.085 116.447,215 179.307,215 179.307,207.13 185.308,207.13 185.308,215 275,215 cw(c275,210) 280,210 280,5 cw(c275,5) 275,0 5,0 cw(c5,5) 0,5 0,210 cw(c5,210) 5,215 94.003,215 94.003,207.13 100.003,207.13 100.003,215 114.537,215 114.537,208.095 ccw(c115.492,208.095) 116.447,208.095 ; 95,10 ccw(c100,10) 100,5 180,5 ccw(c180,10) 185,10 185,20 ccw(c180,20) 180,25 100,25 ccw(c100,20) 95,20 95,10

## Text inside footprints (layer, text, board x,y; h text height)
XT1: Top Overlay "CN8" at 269.146,119.766 h1.52 r180; Top Overlay "CN9" at 269.746,184.746 h1.52 r180; Top Overlay "CN7" at 223.426,109.606 h1.52 r180; Top Overlay "CN10" at 223.426,184.536 h1.52 r180